# Altium PCB PCBmain.PcbDoc (part 1 of 2)
Units mil, origin at the board's own origin, x right, y up, seen from the top; angles counter-clockwise.
Board outline 4323.44 x 2625 mil, 2 copper layers (Top Layer, Bottom Layer); 89 components, 94 nets, 579 pads, 148 vias.
Unrouted connection lines stored in the file: 36.
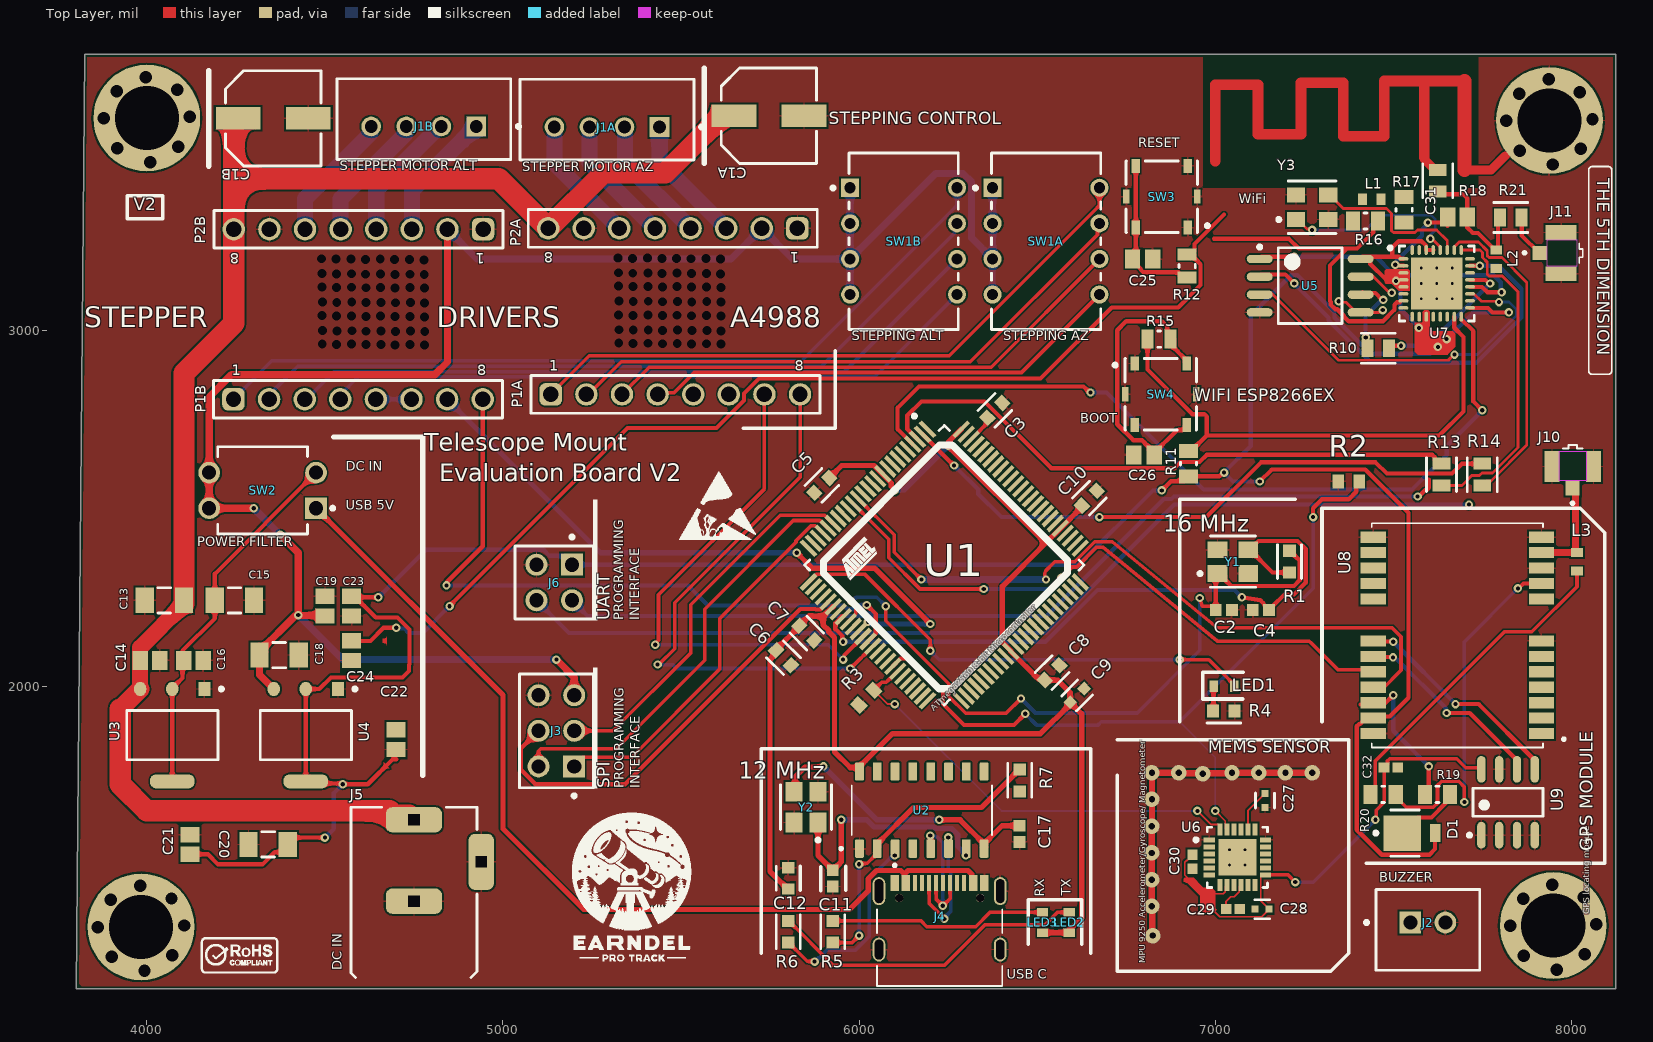
[diagram p0: Top Layer view]
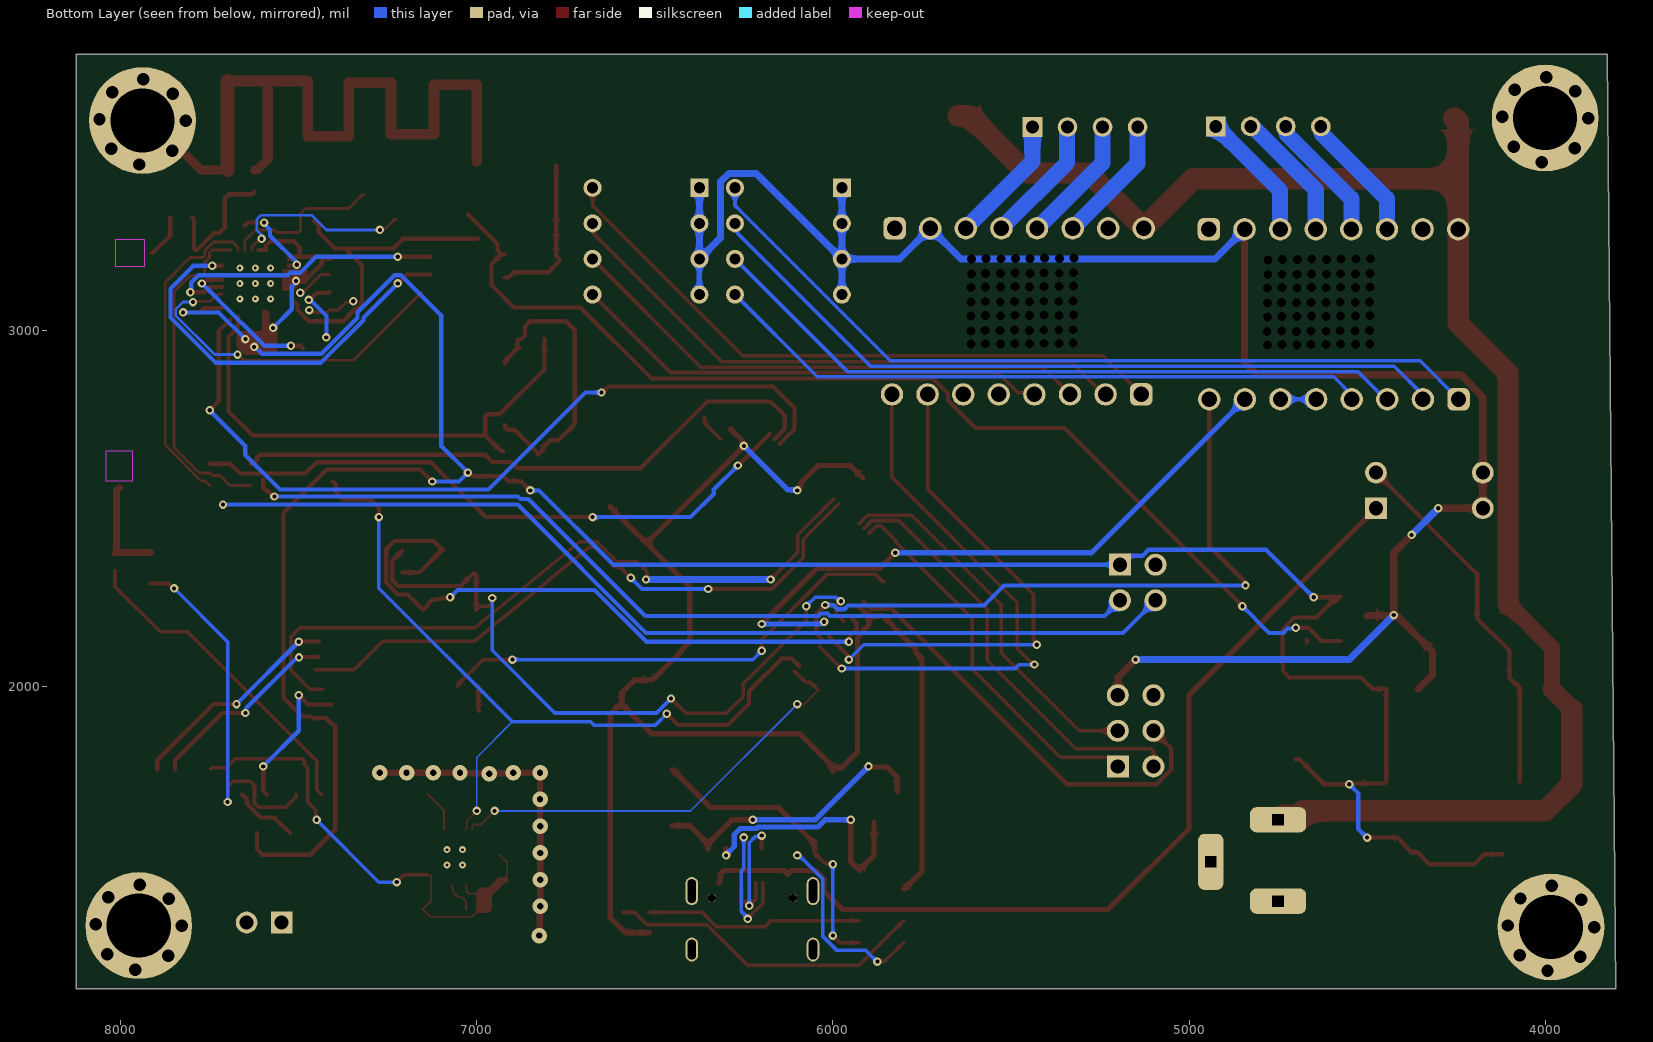
[diagram p1: Bottom Layer view, seen from below]
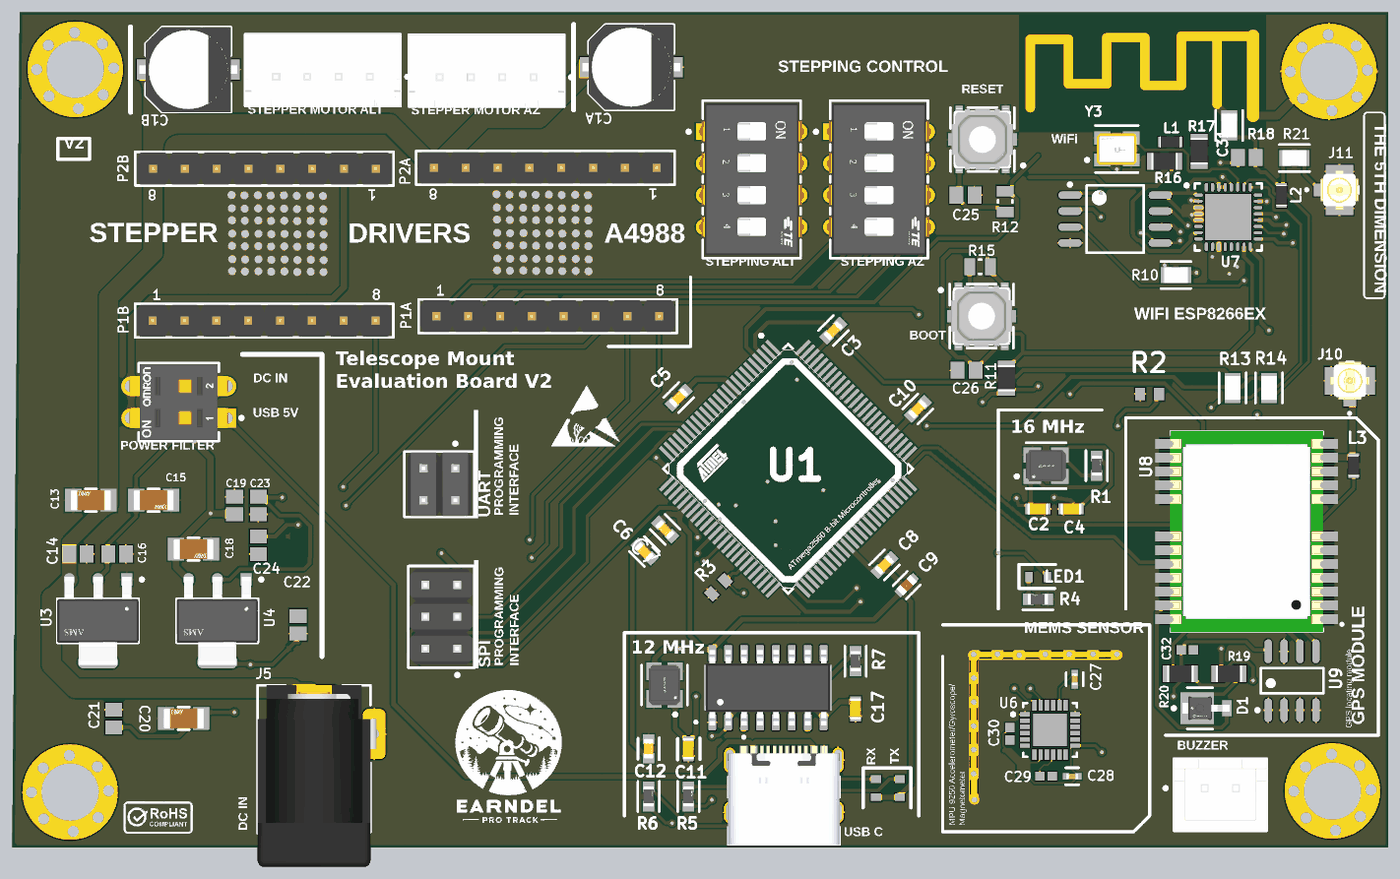
[diagram p3: 3D render of the assembled board from above, using the file's embedded part models]

## Layer stack, top to bottom
Top Solder: solder mask 0.4, Solder Resist, Dk 3.5
Top Layer: signal copper 1.4
Dielectric 1: dielectric 12.6, FR-4, Dk 4.8
Bottom Layer: signal copper 1.4
Bottom Solder: solder mask 0.4, Solder Resist, Dk 3.5

## Board outline
8125,3775 8125,1150 3801.56,1150 3825,3775

## Design rules (kind name [scope] priority, off if disabled: settings)
BoardOutlineClearance [All] p1: gap=7.87 ignorepadtopadclearanceinfootprint=FALSE
Clearance [All] p1: gap=5 ignorepadtopadclearanceinfootprint=FALSE except(9.84: Arc-Hole Track-Hole SMDPad-Hole THPad-Hole Via-Hole Fill-Hole Poly-Hole Region-Hole Text-Hole)
ComponentClearance [All] p1: gap=5 collisioncheckmode=3 verticalgap=5 showdistances=TRUE
DiffPairsRouting [All] p1: maxlimit=10 minlimit=5 mostfreqgap=5 toplayer_minwidth=5 toplayer_maxwidth=1000 toplayer_prefwidth=5 bottomlayer_minwidth=5 bottomlayer_maxwidth=1000 bottomlayer_prefwidth=5 maxuncoupledlength=500
Height [All] p1: minheight=0 maxheight=71497.94 prefheight=500
HoleSize [All] p1: absolutevalues=TRUE maxlimit=248.03 minlimit=11.81 maxpercent=80.000 minpercent=20.000
HoleToHoleClearance [All] p1: gap=9.84 allowstackedmicrovias=FALSE
MinimumAnnularRing [All] p1: minimumring=3
MinimumSolderMaskSliver [All] p1: minsoldermaskwidth=0
PlaneClearance [All] p1: clearance=5
PlaneConnect PlaneConnectPowerPads [InPadClass('PowerPads')] p1: planeconnectstyle=Direct reliefexpansion=20 reliefentries=4 reliefconductorwidth=10 reliefairgap=10
PlaneConnect [All] p2: pad.planeconnectstyle=Relief pad.reliefexpansion=11.81 pad.reliefentries=4 pad.reliefconductorwidth=5 pad.reliefairgap=5 via.planeconnectstyle=Direct via.reliefexpansion=11.81 via.reliefentries=4 via.reliefconductorwidth=5 via.reliefairgap=5
PolygonConnect PolygonConnectPowerPads [All vs (InPadClass('PowerPads'))] p1: connectstyle=Direct reliefconductorwidth=10 reliefentries=4 polygonreliefangle="90 Angle" airgapwidth=10
PolygonConnect [All] p2: thpad.connectstyle=Relief thpad.reliefconductorwidth=5 thpad.reliefentries=4 thpad.polygonreliefangle="90 Angle" thpad.airgapwidth=5 smdpad.connectstyle=Relief smdpad.reliefconductorwidth=5 smdpad.reliefentries=4 smdpad.polygonreliefangle="90 Angle" smdpad.airgapwidth=5 via.connectstyle=Direct via.reliefconductorwidth=5 via.reliefentries=4 via.polygonreliefangle="90 Angle" via.airgapwidth=5
RoutingVias [All] p1: holewidth=11.81 width=23.62 viastyle="Through Hole" minholewidth=11.81 minwidth=23.62 maxholewidth=23.62 maxwidth=259.84
SilkToSilkClearance [All] p1: silktosilkclearance=0
SilkToSolderMaskClearance [IsPad] p1: minsilkscreentomaskgap=5 clearancetoexposedcopper=TRUE
SolderMaskExpansion [All] p1: expansion=2.95 istentingtop=FALSE
Width [All] p1: maxlimit=1000 minlimit=5 preferedwidth=5 minimp=50.000000 maximp=50.000000 favimp=50.000000
20 further rules are at their usual default settings.

## Classes and differential pairs
channel class Stepper_control: Stepper_Alt Stepper_AZ
component class Stepper_AZ: C1B J1B P1B P2B SW1B
component class Stepper_Alt: C1A J1A P1A P2A SW1A
component class Sensors: C27 C28 C29 C30 C32 D1 J10 L3 R19 R20 U6 U8 U9
component class Asynchronous: C22 C23 C24 C25 C26 C31 J6 J11 L1 L2 R10 R11 R12 R13 R14 R15 R16 R17 R18 R21 SW3 SW4 U5 U7 Y3
component class Power: C11 C12 C13 C14 C15 C16 C17 C18 C19 C20 C21 J4 J5 LED2 LED3 R5 R6 R7 SW2 U2 U3 U4 Y2
component class Synchronous: C2 C3 C4 C5 C6 C7 C8 C9 C10 J2 J3 LED1 R1 R2 R3 R4 U1 Y1

## Components (designator, comment, footprint, x,y, rotation, side; value= is the part's Value field where it differs from the comment)
C1A "EEEFK1E101XP" PNSC-FK-V-D8_V 5746.68,3602.23 r0 top (schematic designator C1)
C1B "EEEFK1E101XP" PNSC-FK-V-D8_V 4354.88,3594.93 r0 top (schematic designator C1)
C2 "CC0603JRNPO9BN220" CAPC1608X90X40LL10T20 7024.15,2214.18 r180 top
C3 "CC0603KRX7R9BB104" FP-CC0603-DA-MFG 6381.48,2774.72 r45 top value="100 nF"
C4 "CC0603JRNPO9BN220" CAPC1608X90X40LL10T20 7128.09,2214.18 r0 top
C5 "CC0603KRX7R9BB104" FP-CC0603-DA-MFG 5895.4,2564.17 r225 top value="100 nF"
C6 "CC0603KRX7R9BB104" FP-CC0603-DA-MFG 5852.94,2149.55 r315 top value="100 nF"
C7 "CC0603KRX7R9BB104" FP-CC0603-DA-MFG 5787.76,2080.19 r315 top value="100 nF"
C8 "C1608X5R1A106K080AC" FP-C1608-080-0_1-MFG 6612.2,1974.27 r225 top
C9 "CC0603KRX7R9BB104" FP-CC0603-DA-MFG 6541.88,2038.38 r45 top value="100 nF"
C10 "CC0603KRX7R9BB104" FP-CC0603-DA-MFG 6646.86,2528.41 r45 top value="100 nF"
C11 "CC0603JRNPO9BN220" CAPC1608X90X40LL10T20 5926.08,1460.67 r90 top
C12 "CC0603KRX7R9BB104" FP-CC0603-DA-MFG 5801.08,1460.67 r90 top value="100 nF"
C13 "1206YD106KAT2A" FP-1206-L_3_2_0_2-W_1_6_0-IPC_B 4049.01,2241.39 r180 top
C14 "08055F104KAT2A" CAPC2013X140X50LL20T25 4008.53,2072.78 r180 top value=100nF
C15 "1206YD106KAT2A" FP-1206-L_3_2_0_2-W_1_6_0-IPC_B 4245.96,2241.39 r0 top
C16 "08055F104KAT2A" CAPC2013X140X50LL20T25 4130.97,2072.78 r180 top value=100nF
C17 "CC0603JRNPO9BN220" CAPC1608X90X40LL10T20 6451.08,1585.67 r90 top
C18 "1206YD106KAT2A" FP-1206-L_3_2_0_2-W_1_6_0-IPC_B 4371.3,2087.66 r0 top
C19 "08055F104KAT2A" CAPC2013X140X50LL20T25 4500,2225 r270 top value=100nF
C20 "1206YD106KAT2A" FP-1206-L_3_2_0_2-W_1_6_0-IPC_B 4340.45,1555.82 r180 top
C21 "08055F104KAT2A" CAPC2013X140X50LL20T25 4120.6,1555.82 r270 top value=100nF
C22 "C0805C105K4PACTU" CAPC2013X145X50LL20T25 4700,1850 r90 top
C23 "C0805C105K4PACTU" CAPC2013X145X50LL20T25 4575,2225 r90 top
C24 "C0805C105K4PACTU" CAPC2013X145X50LL20T25 4575,2100 r90 top
C25 "VJ0805D102KXAAJ" CAPC2013X145X48LL20T23 6796.46,3200 r180 top
C26 "VJ0805D102KXAAJ" CAPC2013X145X48LL20T23 6800,2650 r0 top
C27 "CC0402KRX7R9BB222" FP-CC0402-MFG 7139.77,1679.03 r270 top value="2.2 nF"
C28 "CC0402KRX7R9BB103" FP-CC0402-MFG 7131.9,1373.96 r180 top value="10 nF"
C29 "CL05B104KO5NNNC" CAPC1050X55X23ML05T13 7050,1374.68 r180 top
C30 "CL05B104KO5NNNC" CAPC1050X55X23ML05T13 6936.28,1507.37 r90 top
C31 "C0805C105K4PACTU" CAPC2013X145X50LL20T25 7680.25,3318.25 r180 top
C32 "CL05B104KO5NNNC" CAPC1050X55X23ML05T13 7493.31,1771.44 r180 top
D1 "UPS5817E3/TR7" FP-DO-216AA-MFG 7533.23,1587.82 r90 top
J1A "B4B-XH-A(LF)(SN)" FP-B4B-XH-A_LF_SN-MFG 5292.03,3591.24 r0 top (schematic designator J1)
J1B "B4B-XH-A(LF)(SN)" FP-B4B-XH-A_LF_SN-MFG 4777.61,3592.84 r0 top (schematic designator J1)
J2 "B2B-XH-A(LF)(SN)" FP-B2B-XH-A_LF_SN-MFG 7597.23,1315.98 r0 top
J3 "M20-9980346" FP-M20-9980346-MFG 5150,1875 r90 top
J4 "TYPE-C-31-M-12" HRO_TYPE-C-31-M-12 6226.08,1260.67 r0 top
J5 "694106301002" 694106301002 4750,1375 r0 top
J6 "PEC02DABN" FP-PEC02DABN-MFG 5143.9,2291.4 r180 top
J10 "20279-001E-03" IPEX_20279-001E-03 8004.11,2616.95 r0 top
J11 "20279-001E-03" IPEX_20279-001E-03 7971.48,3216.37 r270 top
L1 "B82496C3330J" INDC1608X90X30LL10T20 7440.27,3367.54 r0 top
L2 "B82496C3330J" INDC1608X90X30LL10T20 7789.45,3199.43 r90 top
L3 "B82496C3330J" INDC1608X90X30LL10T20 8016.08,2350 r270 top
LED1 "TLMS1100-GS08" VISH-TLMX1100_V 7025,2000 r180 top
LED2 "TLMS1100-GS08" VISH-TLMX1100_V 6590.48,1336.79 r90 top
LED3 "TLMS1100-GS08" VISH-TLMX1100_V 6515.48,1336.79 r90 top
P1A "61300811121" 61300811121 5484.2,2819.74 r0 top (schematic designator P1)
P1B "61300811121" 61300811121 4593.15,2806 r0 top (schematic designator P1)
P2A "61300811121" 61300811121 5476.83,3286.08 r180 top (schematic designator P2)
P2B "61300811121" 61300811121 4594.09,3283.34 r180 top (schematic designator P2)
R1 "AF0603FR-071K5L" FP-AF0603-IPC_B 7208.68,2350 r90 top
R2 "RC0603JR-0710KL" RESC1608X55X25ML10T15 7375,2575 r0 top
R3 "RC0603JR-0710KL" RESC1608X55X25ML10T15 6020.62,1968.35 r45 top
R4 "AF0603FR-071K5L" FP-AF0603-IPC_B 7024.15,1930.59 r180 top
R5 "AF0603FR-071K5L" FP-AF0603-IPC_B 5926.08,1310.67 r90 top
R6 "AF0603FR-071K5L" FP-AF0603-IPC_B 5801.08,1310.67 r90 top
R7 "AF0603FR-071K5L" FP-AF0603-IPC_B 6451.08,1735.67 r90 top
R10 "CR0805-J/-000ELF" FP-CR0805-IPC_C 7457.75,2949.3 r180 top
R11 "RC0805FR-0710KL" RESC2013X60X35NL10T20 6925,2625 r90 top
R12 "CRCW0805470RFKEA" RESC2013X50X30LL20T20 6921.36,3180.32 r90 top
R13 "CR0805-J/-000ELF" FP-CR0805-IPC_C 7635.6,2594.41 r270 top
R14 "CR0805-J/-000ELF" FP-CR0805-IPC_C 7750,2594.41 r270 top
R15 "CRCW0805470RFKEA" RESC2013X50X30LL20T20 6842.52,2975 r180 top
R16 "RC0805FR-0710KL" RESC2013X60X35NL10T20 7422.05,3306.52 r0 top
R17 "RC0805FR-0710KL" RESC2013X60X35NL10T20 7530.75,3338.01 r270 top
R18 "CR0805-J/-000ELF" FP-CR0805-IPC_C 7625,3419.41 r270 top
R19 "RC0805FR-0710KL" RESC2013X60X35NL10T20 7624.37,1696.46 r0 top
R20 "RC0805FR-0710KL" RESC2013X60X35NL10T20 7471.65,1696.46 r180 top
R21 "CR0805-J/-000ELF" FP-CR0805-IPC_C 7830.06,3316.54 r180 top
SW1A "1825360-3" FP-1825360-3-MFG 6525,3250 r270 top (schematic designator SW1)
SW1B "1825360-3" FP-1825360-3-MFG 6125,3250 r270 top (schematic designator SW1)
SW2 "A6T-2104" FP-A6T-2104-MFG 4325,2550 r180 top
SW3 "EVQ-PLMA15" FP-EVQ-PLMA15-MFG 6850,3375 r180 top
SW4 "EVQ-PLMA15" FP-EVQ-PLMA15-MFG 6847.2,2820.11 r0 top
U1 "ATMEGA2560-16AUR" FP-100A-MFG 6239.38,2340.32 r315 top
U2 "CH340G" SOIC127P600X180-16N 6176.08,1652.4 r90 top
U3 "AMS1117-5.0" FP-AMS1117-IPC_C 4071.3,1862.66 r270 top
U4 "AMS1117-3.3" FP-AMS1117-IPC_C 4446.3,1862.66 r270 top
U5 "AT25DF321A-SH-T" ADST-S2-8_N 7266.73,3125 r0 top
U6 "MPU-6050" IS-QFN-24_V 7062.29,1519.59 r0 top
U7 "ESP8266EX" ESFS-QFN-32_L 7622.18,3131.52 r0 top
U8 "NEO-6M-GPS" XCVR_NEO-6M-GPS 7680.12,2143.03 r180 top
U9 "24AA32A-I/SN" SOIC-SN8_L 7822.53,1674.35 r90 top
Y1 "ABM8G-16.000MHZ-18-D2Y-T" FP-ABM8G-MFG 7050,2350 r0 top
Y2 "ABM8G-12.000MHZ-18-D2Y-T" FP-ABM8G-MFG 5851.08,1660.67 r90 top
Y3 "ABM8-26.000MHZ-10-D-1-G-T" FP-ABM8-MFG 7272.05,3345.11 r0 top

## Footprints (in the part's own frame and the unit in brackets; to place one, negate y for a bottom-side part, rotate by r counter-clockwise, add the part's x,y. Pads: shape width x height; smd on the part's side, far side on the other; paste and mask are expansions set on the pad)
61300811121 [mm] "Pin Header, pitch 2.54 mm, THT, Vertical, single row, 8p"
  rrect50% 1.6x1.6 hole 1.1: 1(-8.89,0)
  round 1.6 hole 1.1: 2(-6.35,0) 3(-3.81,0) 4(-1.27,0) 5(1.27,0) 6(3.81,0) 7(6.35,0) 8(8.89,0)
  silkscreen extent -10.31,-1.35 10.31,1.35, body extent -10.16,-1.27 10.16,1.27, height 8.57
694106301002 [mm] "DC Power Jack Right Angled(6.4)"
  rrect50% 4x1.8 hole 0.8 square: 1(0,6.35) 2(0,0.55)
  rrect50% 1.8x4 hole 0.8 square: 3(4.8,3.35)
  silkscreen extent -4.5,-4.9 4.5,7.25, body extent -4.5,-7.25 5,7.25, height 10.75
ADST-S2-8_N [mm] "SOIC, 8-Leads, Body 5.4x5.4mm, Pitch 1.27mm, IPC Medium Density"
  oval 1.85x0.6 smd: 1(-3.6,1.905) 2(-3.6,0.635) 3(-3.6,-0.635) 4(-3.6,-1.905) 5(3.6,-1.905) 6(3.6,-0.635) 7(3.6,0.635) 8(3.6,1.905)
  silkscreen extent -3.72,-2.7 2.27,2.88, body extent -2.7,-2.7 2.7,2.7, height 2.16
CAPC1050X55X23ML05T13 [mm] "Chip Capacitor, 2-Leads, Body 1.05x0.55mm, IPC Low Density"
  rect 0.76x0.72 smd: 1(-0.49,0) 2(0.49,0)
  body extent -0.53,-0.28 0.53,0.27, height 0.55
CAPC1608X90X40LL10T20 [mm] "Chip Capacitor, 2-Leads, Body 1.7x0.9mm, IPC High Density"
  rect 0.85x0.85 smd: 1(-0.575,0) 2(0.575,0)
  body extent -0.85,-0.45 0.85,0.45, height 0.9
CAPC2013X140X50LL20T25 [mm] "Chip Capacitor, 2-Leads, Body 2.00x1.25mm, IPC High Density"
  rect 1.1x1.35 smd: 1(-0.7,0) 2(0.7,0)
  body extent -1.1,-0.72 1.1,0.72, height 1.4
CAPC2013X145X48LL20T23 [mm] "Chip Capacitor, 2-Leads, Body 2.00x1.25mm, IPC High Density"
  rect 1.1x1.35 smd: 1(-0.725,0) 2(0.725,0)
  body extent -1.1,-0.72 1.1,0.72, height 1.45
CAPC2013X145X50LL20T25 [mm] "Chip Capacitor, 2-Leads, Body 2.00x1.25mm, IPC High Density"
  rect 1.1x1.35 smd: 1(-0.7,0) 2(0.7,0)
  body extent -1.1,-0.72 1.1,0.72, height 1.45
ESFS-QFN-32_L [mm] "QFN, 32-Leads, Body 5.05x5.05mm, Pitch 0.50mm, Thermal Pad 3.70x3.70mm, IPC High Density"
  oval 0.7x0.25 smd: 1(-2.375,1.75) 2(-2.375,1.25) 3(-2.375,0.75) 4(-2.375,0.25) 5(-2.375,-0.25) 6(-2.375,-0.75) 7(-2.375,-1.25) 8(-2.375,-1.75) 17(2.375,-1.75) 18(2.375,-1.25) 19(2.375,-0.75) 20(2.375,-0.25) 21(2.375,0.25) 22(2.375,0.75) 23(2.375,1.25) 24(2.375,1.75)
  oval 0.25x0.7 smd: 9(-1.75,-2.375) 10(-1.25,-2.375) 11(-0.75,-2.375) 12(-0.25,-2.375) 13(0.25,-2.375) 14(0.75,-2.375) 15(1.25,-2.375) 16(1.75,-2.375) 25(1.75,2.375) 26(1.25,2.375) 27(0.75,2.375) 28(0.25,2.375) 29(-0.25,2.375) 30(-0.75,2.375) 31(-1.25,2.375) 32(-1.75,2.375)
  rect 3.7x3.7 smd: 33(0,0)
  silkscreen extent -3.45,-2.67 2.68,2.68, body extent -2.52,-2.52 2.53,2.53, height 0.9
FP-100A-MFG [mm]
  rect 1.5x0.3 smd paste+0 mask+0: 1(-7.7,6) 2(-7.7,5.5) 3(-7.7,5) 4(-7.7,4.5) 5(-7.7,4) 6(-7.7,3.5) 7(-7.7,3) 8(-7.7,2.5) 9(-7.7,2) 10(-7.7,1.5) 11(-7.7,1) 12(-7.7,0.5) 13(-7.7,0) 14(-7.7,-0.5) 15(-7.7,-1) 16(-7.7,-1.5) 17(-7.7,-2) 18(-7.7,-2.5) 19(-7.7,-3) 20(-7.7,-3.5) 21(-7.7,-4) 22(-7.7,-4.5) 23(-7.7,-5) 24(-7.7,-5.5) 25(-7.7,-6) 51(7.7,-6) 52(7.7,-5.5) 53(7.7,-5) 54(7.7,-4.5) 55(7.7,-4) 56(7.7,-3.5) 57(7.7,-3) 58(7.7,-2.5) 59(7.7,-2) 60(7.7,-1.5) 61(7.7,-1) 62(7.7,-0.5) 63(7.7,0) 64(7.7,0.5) 65(7.7,1) 66(7.7,1.5) 67(7.7,2) 68(7.7,2.5) 69(7.7,3) 70(7.7,3.5) 71(7.7,4) 72(7.7,4.5) 73(7.7,5) 74(7.7,5.5) 75(7.7,6)
  rect 0.3x1.5 smd paste+0 mask+0: 26(-6,-7.7) 27(-5.5,-7.7) 28(-5,-7.7) 29(-4.5,-7.7) 30(-4,-7.7) 31(-3.5,-7.7) 32(-3,-7.7) 33(-2.5,-7.7) 34(-2,-7.7) 35(-1.5,-7.7) 36(-1,-7.7) 37(-0.5,-7.7) 38(0,-7.7) 39(0.5,-7.7) 40(1,-7.7) 41(1.5,-7.7) 42(2,-7.7) 43(2.5,-7.7) 44(3,-7.7) 45(3.5,-7.7) 46(4,-7.7) 47(4.5,-7.7) 48(5,-7.7) 49(5.5,-7.7) 50(6,-7.7) 76(6,7.7) 77(5.5,7.7) 78(5,7.7) 79(4.5,7.7) 80(4,7.7) 81(3.5,7.7) 82(3,7.7) 83(2.5,7.7) 84(2,7.7) 85(1.5,7.7) 86(1,7.7) 87(0.5,7.7) 88(0,7.7) 89(-0.5,7.7) 90(-1,7.7) 91(-1.5,7.7) 92(-2,7.7) 93(-2.5,7.7) 94(-3,7.7) 95(-3.5,7.7) 96(-4,7.7) 97(-4.5,7.7) 98(-5,7.7) 99(-5.5,7.7) 100(-6,7.7)
  silkscreen extent -9.15,-7.05 7.05,7.05, body extent -8.55,-8.55 8.55,8.55, height 0.25
FP-1206-L_3_2_0_2-W_1_6_0-IPC_B [mil]
  rect 51.36x71.11 smd paste+0 mask+0: 1(-55.15,0) 2(55.15,0)
  silkscreen extent -18,-36 18,36, body extent -91,-45 91,45, height 10
FP-1825360-3-MFG [mm]
  rect 1.29x1.29 hole 0.79 paste-2539.97 mask+0: 1(-3.81,-3.81)
  round 1.29 hole 0.79 paste-2539.97 mask+0: 2(-1.27,-3.81) 3(1.27,-3.81) 4(3.81,-3.81) 5(3.81,3.81) 6(1.27,3.81) 7(-1.27,3.81) 8(-3.81,3.81)
  silkscreen extent -6.29,-5.16 6.29,3.9, body extent -6.4,-4.55 6.4,4.55, height 0.25
FP-A6T-2104-MFG [mm]
  rect 1.55x1.55 hole 1 paste-2539.97 mask+0: 1(-3.81,1.27)
  round 1.55 hole 1 paste-2539.97 mask+0: 2(-3.81,-1.27) 3(3.81,-1.27) 4(3.81,1.27)
  silkscreen extent -5.13,-3.11 3.2,3.11, body extent -4.68,-3.21 4.68,3.21, height 0.25
FP-ABM8-MFG [mm]
  rect 1.3x1.05 smd paste+0 mask+0: 1(-1.15,-0.875) 2(1.15,-0.875) 3(1.15,0.875) 4(-1.15,0.875)
  silkscreen extent -2.5,-1.88 1.7,1.88, body extent -1.9,-1.5 1.9,1.5, height 0.25
FP-ABM8G-MFG [mm]
  rect 1.4x1.2 smd paste+0 mask+0: 1(-1.1,-0.85) 2(1.1,-0.85) 3(1.1,0.85) 4(-1.1,0.85)
  silkscreen extent -2.47,-1.83 1.6,1.83, body extent -1.9,-1.55 1.9,1.55, height 0.25
FP-AF0603-IPC_B [mil]
  rect 33.81x35.91 smd paste+0 mask+0: 1(-30.58,0) 2(30.58,0)
  silkscreen extent -47,-34 47,34, body extent -57,-28 57,28, height 10
FP-AMS1117-IPC_C [mm]
  rect 1.004x0.872 smd paste+0 mask+0: 1(-3.295,2.29)
  rrect100% 1.004x0.872 smd paste+0 mask+0: 2(-3.295,0) 3(-3.295,-2.29)
  rrect87% 1.004x3.182 smd paste+0 mask+0: 4(3.295,0)
  silkscreen extent -3.42,-3.25 1.75,3.63, body extent -3.9,-3.35 3.9,3.35, height 0.25
FP-B2B-XH-A_LF_SN-MFG [mm]
  rect 1.55x1.55 hole 1 paste-2539.97 mask+0: 1(-1.25,0.525)
  round 1.55 hole 1 paste-2539.97 mask+0: 2(1.25,0.525)
  silkscreen extent -4.5,-2.88 3.7,2.88, body extent -3.8,-2.98 3.8,2.98, height 0.25
FP-B4B-XH-A_LF_SN-MFG [mm]
  rect 1.4x1.4 hole 0.9 paste-2539.97 mask+0: 1(3.75,-0.525)
  round 1.4 hole 0.9 paste-2539.97 mask+0: 2(1.25,-0.525) 3(-1.25,-0.525) 4(-3.75,-0.525)
  silkscreen extent -6.2,-2.88 6.88,2.88, body extent -6.3,-2.98 6.3,2.98, height 0.25
FP-C1608-080-0_1-MFG [mm]
  rect 0.7x0.7 smd paste+0 mask+0: 1(-0.7,0) 2(0.7,0)
  silkscreen extent -0.8,-0.75 0.8,0.75, body extent -1.15,-0.55 1.15,0.55, height 0.25
FP-CC0402-MFG [mm]
  rect 0.5x0.5 smd paste+0 mask+0: 1(-0.5,0) 2(0.5,0)
  silkscreen extent -0.53,-0.68 0.53,0.67, body extent -0.87,-0.48 0.87,0.48, height 0.25
FP-CC0603-DA-MFG [mm]
  rect 0.8x0.9 smd paste+0 mask+0: 1(-0.75,0) 2(0.75,0)
  silkscreen extent -0.85,-0.85 0.85,0.85, body extent -1.35,-0.75 1.35,0.75, height 0.25
FP-CR0805-IPC_C [mil]
  rect 33.79x49.69 smd paste+0 mask+0: 1(-30.59,0) 2(30.59,0)
  silkscreen extent -47,-42 47,42, body extent -51,-31 51,31, height 10
FP-DO-216AA-MFG [mm]
  rect 2.54x2.67 smd paste+0 mask+0: 1(0,0.21)
  rect 1.27x0.76 smd paste+0 mask+0: 2(0,-2.145)
  silkscreen extent -1.65,-1.01 1.65,2.21, body extent -1.37,-2.63 1.37,1.65, height 0.25
FP-EVQ-PLMA15-MFG [mm]
  rect 0.45x1 smd paste+0 mask+0: 1(-2.525,0) 2(2.525,0)
  rect 0.6x1 smd paste+0 mask+0: A(-1.85,2.2) A'(-1.85,-2.2) B(1.85,2.2) B'(1.85,-2.2)
  silkscreen extent -3.38,-2.55 2.55,2.55, body extent -2.85,-2.8 2.85,2.8, height 0.25
FP-M20-9980346-MFG [mm]
  rect 1.57x1.57 hole 1.02 paste-2539.97 mask+0: 1(-2.54,-1.27)
  round 1.57 hole 1.02 paste-2539.97 mask+0: 2(-2.54,1.27) 3(0,-1.27) 4(0,1.27) 5(2.54,-1.27) 6(2.54,1.27)
  silkscreen extent -4.76,-2.64 4.06,2.64, body extent -4.16,-2.74 4.16,2.74, height 0.25
FP-PEC02DABN-MFG [mm]
  rect 1.57x1.57 hole 1.02 paste-2539.97 mask+0: 1(-1.27,-1.27)
  round 1.57 hole 1.02 paste-2539.97 mask+0: 2(-1.27,1.27) 3(1.27,-1.27) 4(1.27,1.27)
  silkscreen extent -2.8,-3.37 2.8,2.61, body extent -2.9,-2.71 2.9,2.71, height 0.25
HRO_TYPE-C-31-M-12 [mm]
  rect 0.6x1.14 smd mask+0.05: A1_B12(-3.2,4.75) A4_B9(-2.4,4.75) B1_A12(3.2,4.75) B4_A9(2.4,4.75)
  rect 0.3x1.14 smd mask+0.05: A5(-1.25,4.75) A6(-0.25,4.75) A7(0.25,4.75) A8(1.25,4.75) B5(1.75,4.75) B6(0.75,4.75) B7(-0.75,4.75) B8(-1.75,4.75)
  oval 0.9x2 hole 0.6 slot 1.7 at 90 deg: S1(-4.325,4.17) S2(4.325,4.17)
  oval 0.9x1.7 hole 0.6 slot 1.4 at 90 deg: S3(-4.325,0) S4(4.325,0)
  round 0.6 hole 0.6 unplated: ""(-2.89,3.68) ""(2.89,3.68)
  silkscreen extent -4.47,-2.6 4.47,6.1, body extent -4.47,-2.6 4.47,5.31, height 3.31
INDC1608X90X30LL10T20 [mm] "Chip Inductor, 2-Leads, Body 1.7x0.9mm, IPC High Density"
  rect 0.64x0.84 smd: 1(-0.66,0) 2(0.66,0)
  body extent -0.85,-0.45 0.85,0.45, height 0.9
IPEX_20279-001E-03 [mm]
  rect 1x1.05 smd: 1(0,-1.525)
  rect 1.05x2.2 smd: 2(1.475,0) 3(-1.475,0)
  Keep-Out Layer region: 0.95,-1 -0.95,-1 -0.95,1.1 0.95,1.1
  silkscreen extent -0.7,-2.71 0.7,1.55, body extent -1.5,-1.55 1.5,1.55, height 1.25
IS-QFN-24_V [mm] "QFN, 24-Leads, Body 4x4mm, Pitch 0.5mm, Thermal Pad 2.7x2.6mm"
  rect 0.8x0.35 smd: 1(-2,1.25) 2(-2,0.75) 3(-2,0.25) 4(-2,-0.25) 5(-2,-0.75) 6(-2,-1.25) 13(2,-1.25) 14(2,-0.75) 15(2,-0.25) 16(2,0.25) 17(2,0.75) 18(2,1.25)
  rect 0.35x0.85 smd mask+0.102: 7(-1.25,-1.975) 8(-0.75,-1.975) 9(-0.25,-1.975) 10(0.25,-1.975) 11(0.75,-1.975) 12(1.25,-1.975) 19(1.25,1.975) 20(0.75,1.975) 21(0.25,1.975) 22(-0.25,1.975) 23(-0.75,1.975) 24(-1.25,1.975)
  rect 2.7x2.6 smd: 25(0,0)
  silkscreen extent -3.07,-2.15 2.15,2.15, body extent -2,-2 2,2, height 0.95
PNSC-FK-V-D8_V [mm] "CAPAE, 2-Leads, Body 6.80x6.80mm"
  rect 3.2x1.6 smd: 1(-2.5,0) 2(2.5,0)
  silkscreen extent -4.6,-3.4 3.4,3.4, body extent -3.9,-3.4 3.9,3.4, height 8
RESC1608X55X25ML10T15 [mm] "Chip Resistor, 2-Leads, Body 1.60x0.80mm, IPC Low Density"
  rect 0.8x1 smd: 1(-0.75,0) 2(0.75,0)
  body extent -0.85,-0.45 0.85,0.45, height 0.55
RESC2013X50X30LL20T20 [mm] "Chip Resistor, 2-Leads, Body 2.00x1.25mm, IPC High Density"
  rect 0.85x1.35 smd: 1(-0.825,0) 2(0.825,0)
  silkscreen extent -0.1,-0.58 0.1,0.58, body extent -1.1,-0.72 1.1,0.72, height 0.5
RESC2013X60X35NL10T20 [mm] "Chip Resistor, 2-Leads, Body 2.1x1.35mm, IPC Medium Density"
  rect 1x1.35 smd: 1(-0.9,0) 2(0.9,0)
  silkscreen extent -0.1,-0.58 0.1,0.58, body extent -1.05,-0.68 1.05,0.67, height 0.6
SOIC127P600X180-16N [mm]
  rrect25% 1.31x0.62 smd: 1(-2.75,4.445) 2(-2.75,3.175) 3(-2.75,1.905) 4(-2.75,0.635) 5(-2.75,-0.635) 6(-2.75,-1.905) 7(-2.75,-3.175) 8(-2.75,-4.445) 9(2.75,-4.445) 10(2.75,-3.175) 11(2.75,-1.905) 12(2.75,-0.635) 13(2.75,0.635) 14(2.75,1.905) 15(2.75,3.175) 16(2.75,4.445)
  silkscreen extent -2.85,-5 1.78,5.85, body extent -3,-5 3,5, height 1.8
SOIC-SN8_L [mm] "SOIC, 8-Leads, Body 4.9x3.9mm, Pitch 1.27mm, IPC High Density"